# Altium PCB GameBoard_V1I1_Phase1.PcbDoc (part 5 of 18)
Units mm, origin at the board's own origin, x right, y up, seen from the top; angles counter-clockwise.
Board outline 182 x 70.2 mm, 12 copper layers (L1, L2, L3, L4, L5 (PWR), L6 (PWR), L7 (PWR), L8 (PWR), L9, L10, L11, L12), stack 2.079 mm thick; 1542 components, 1068 nets, 5447 pads, 3805 vias.
Unrouted connection lines stored in the file: 2.
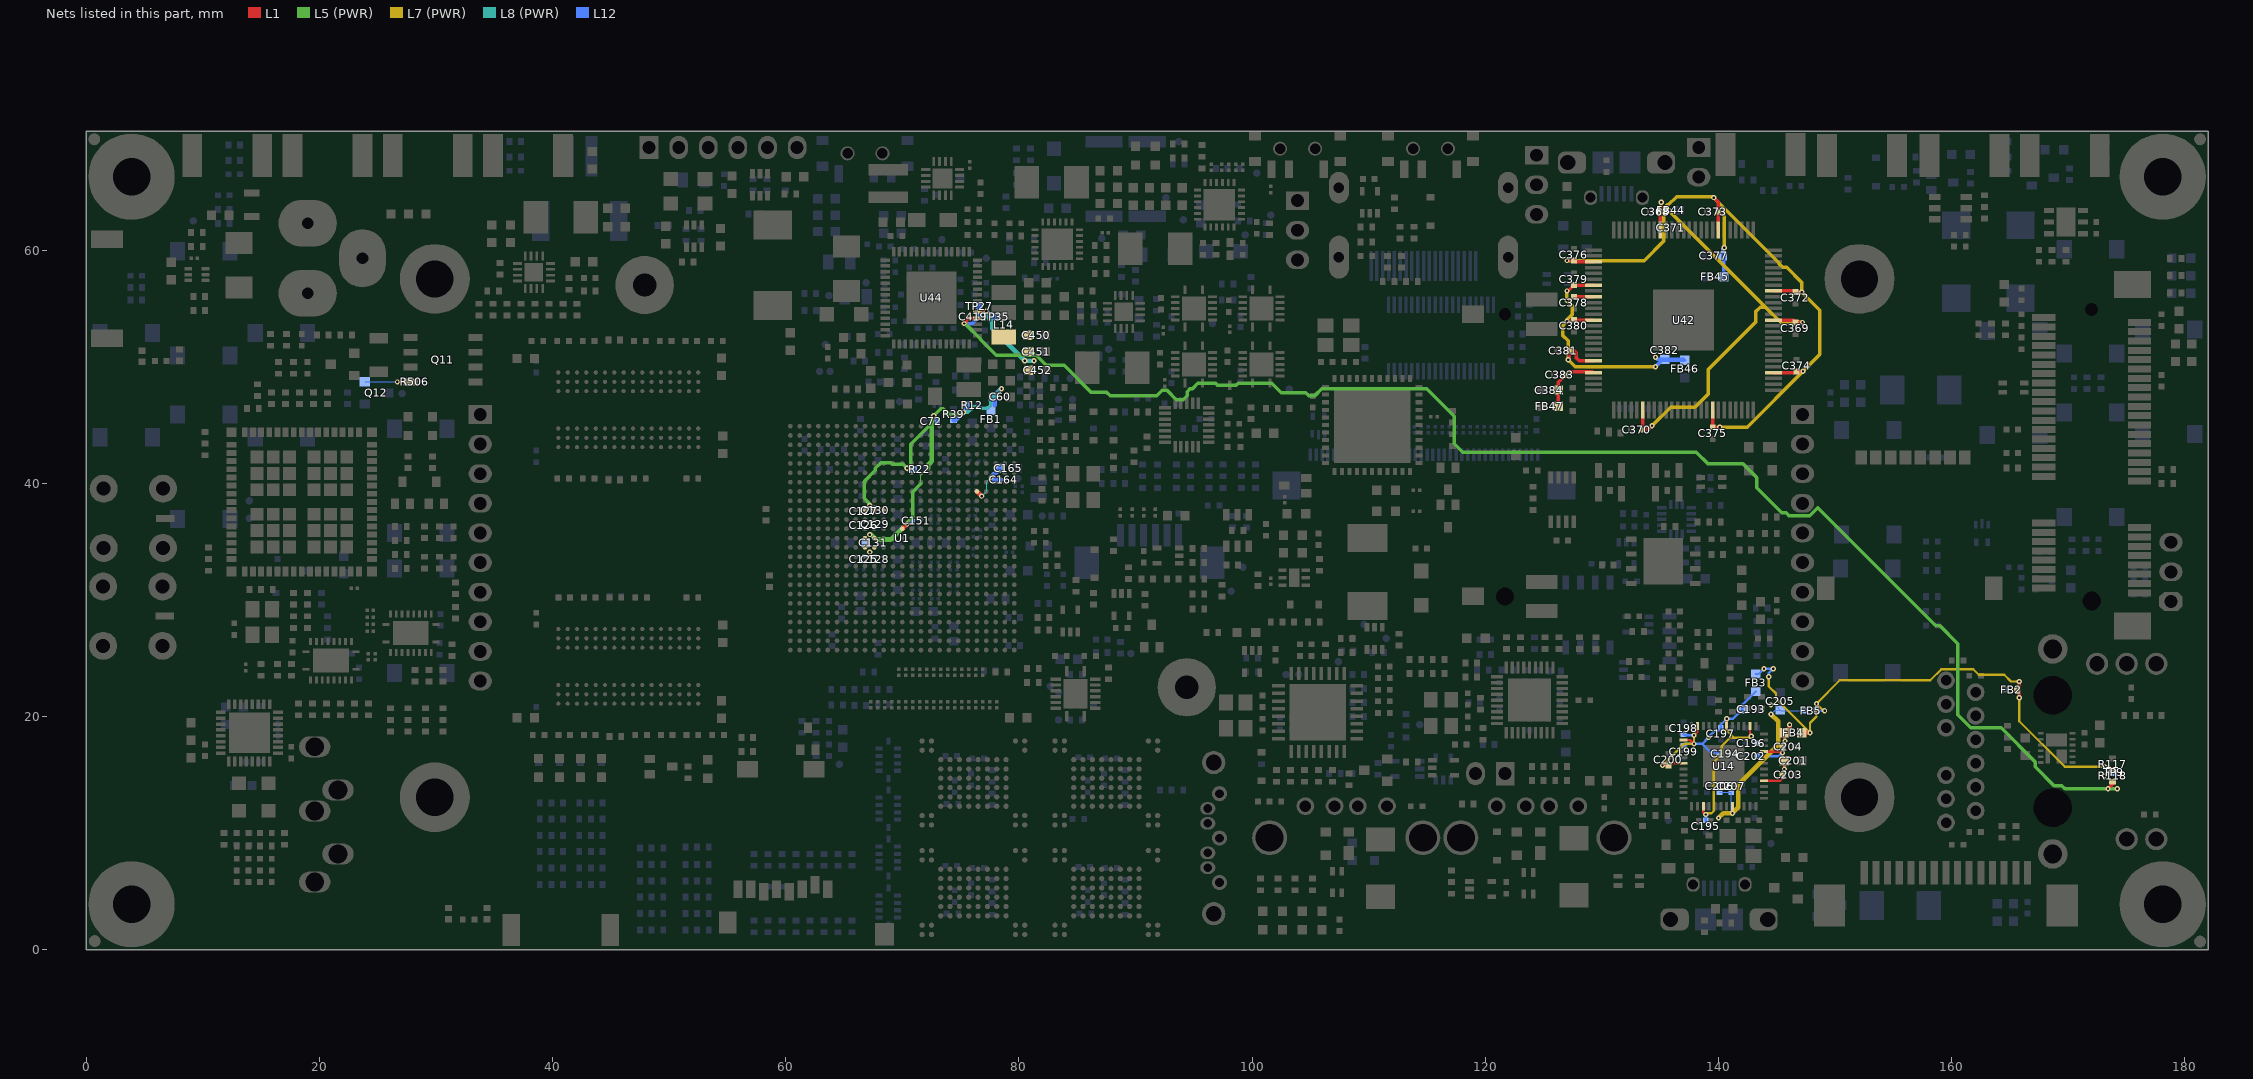
[diagram p15: the nets of this part, all layers, seen from the top]

## Part data (continued)
L8: library part XFL4020-222MEC, "Fixed Inductors Power Inductor 2.2 uH 20 % 8 A", Case/Package=SMD/SMT, DC Resistance (DCR)=23.5mR, Inductance=2.2uh, Inductance Tolerance=20%, Manufacturer=Coilcraft, Max DC Current=8A, Max Operating Temperature=125°C, Min Operating Temperature=-40°C, Saturation Current=3.1A, Self Resonant Frequency=38MHz, Supplier Part Number 1=994-XFL4020-222MEC, Test Frequency=100kHz, .Creator=MB, ComponentLink1Description=https://datasheet.ciiva.com/22679/1682010-22679277.pdf, ComponentLink1URL=https://datasheet.ciiva.com/22679/1682010-22679277.pdf, ComponentLink2Description=https://datasheet.ciiva.com/22679/1682010-22679278.pdf, ComponentLink2URL=https://datasheet.ciiva.com/22679/1682010-22679278.pdf, Core Material=Composite, Height=2.1mm, Lead Free="Contains Lead", Length=4.3mm, Manufacturer Part Number=XFL4020-222MEC, Mount="Surface Mount", Packaging="Tape and Reel", Pricing 1="1=1.99, 10=1.99, 50=1.99, 100=1.59, 1000=0.885, 10000=0.824 (USD)", REACH SVHC="No SVHC", RMS Current (Irms)=8A, Shielding=Shielded, Stock 1=16586, Supplier 1=Mouser, Termination=SMD/SMT, Tolerance=20%, Width=4.3mm
L10: library part IHLP2525CZER100M11, "FIXED IND 10UH 4A 71.2 MOHM SMD", DC Resistance (DCR)="71.2 mOhm Max", Manufacturer="Vishay Dale", Operating Temperature="-55°C ~ 125°C", Package / Case=Nonstandard, Q @ Freq=-, Supplier Part Number 1=541-2577-1-ND, Tolerance=±20%, .Creator=MB, Category="Inductors, Coils, Chokes", ComponentLink1Description=http://www.vishay.com/docs/34190/ihlp25cz.pdf, ComponentLink1URL=http://www.vishay.com/docs/34190/ihlp25cz.pdf, Height - Seated (Max)="0.118\" (3.00mm)", Manufacturer Part Number=IHLP2525CZER100M11, Material - Core="Powdered Iron", Mounting Type="Surface Mount", Packaging="Cut Tape (CT)", Part Status=Active, Pricing 1="1=1.72, 10=1.587, 100=1.1109, 500=0.8993, 1000=0.81995 (USD)", Ratings=-, RoHS="RoHS Compliant", Shielding=Shielded, Size / Dimension="0.270\" L x 0.255\" W (6.86mm x 6.47mm)", Stock 1=14061, Supplier 1=Digi-Key, Supplier Device Package=-, Type=Molded
L11 L12: library part IHLP1212AEER1R0M11, "FIXED IND 1UH 3.9A 33 MOHM SMD", Current - Saturation=5.3A, Current Rating=3.9A, DC Resistance (DCR)="33 mOhm Max", Frequency - Self Resonant=-, Frequency - Test=100kHz, Inductance=1µH, Manufacturer="Vishay Dale", Operating Temperature="-55°C ~ 125°C", Package / Case=Nonstandard, Supplier Part Number 1=541-1327-1-ND, Tolerance=±20%, .Checked PCB=used, .Checked SCH=used, .Creator=MM, Category="Inductors, Coils, Chokes", ComponentLink1Description=http://www.vishay.com/docs/34300/lp12ae11.pdf, ComponentLink1URL=http://www.vishay.com/docs/34300/lp12ae11.pdf, Height - Seated (Max)="0.047\" (1.20mm)", Manufacturer Part Number=IHLP1212AEER1R0M11, Material - Core=-, Mounting Type="Surface Mount", Packaging="Cut Tape (CT)", Pricing 1="1=1.44, 10=1.35, 100=1.026, 500=0.828, 1000=0.756 (USD)", Q @ Freq=-, RoHS="RoHS Compliant", Shielding=Shielded, Size / Dimension="0.144\" L x 0.118\" W (3.65mm x 3.00mm)", Stock 1=3480, Supplier 1=Digi-Key, Supplier Device Package=-, Type=Molded
L13 L14 L15: library part IFSC1008ABER1R0M01, "FIXED IND 1UH 2.6A 43 MOHM SMD", Current - Saturation=2.7A, Current Rating=2.6A, DC Resistance (DCR)="43 mOhm Max", Frequency - Self Resonant=-, Frequency - Test=100kHz, Inductance=1µH, Manufacturer="Vishay Dale", Operating Temperature="-55°C ~ 125°C", Package / Case=Nonstandard, Supplier Part Number 1=541-1388-1-ND, Tolerance=±20%, .Checked PCB=used, .Checked SCH=used, .Creator=MM, Category="Inductors, Coils, Chokes", ComponentLink1Description=http://www.vishay.com/docs/34294/s108ab01.pdf, ComponentLink1URL=http://www.vishay.com/docs/34294/s108ab01.pdf, Height - Seated (Max)="0.047\" (1.20mm)", Manufacturer Part Number=IFSC1008ABER1R0M01, Material - Core=-, Mounting Type="Surface Mount", Packaging="Cut Tape (CT)", Pricing 1="1=0.62, 10=0.501, 100=0.4175, 500=0.334, 1000=0.3006 (USD)", Q @ Freq=-, RoHS="RoHS Compliant", Shielding=Shielded, Size / Dimension="0.098\" L x 0.079\" W (2.50mm x 2.00mm)", Stock 1=46148, Supplier 1=Digi-Key, Supplier Device Package=-, Type=-
L16 L19: library part IHLP1616ABER2R2M11, "FIXED IND 2.2UH 2.75A 83.5 MOHM", Current - Saturation=3A, Current Rating=2.75A, DC Resistance (DCR)="83.5 mOhm Max", Frequency - Self Resonant=49MHz, Frequency - Test=100kHz, Inductance=2.2µH, Manufacturer="Vishay Dale", Operating Temperature="-55°C ~ 125°C", Package / Case=Nonstandard, Q @ Freq=-, Supplier Part Number 1=541-1045-1-ND, Tolerance=±20%, .Checked PCB=used, .Checked SCH=used, .Creator=MM, Category="Inductors, Coils, Chokes", ComponentLink1Description=http://media.digikey.com/pdf/Data%20Sheets/Vishay%20Dale%20PDFs/IHLP-1616-11.pdf, ComponentLink1URL=http://media.digikey.com/pdf/Data%20Sheets/Vishay%20Dale%20PDFs/IHLP-1616-11.pdf, Height - Seated (Max)="0.047\" (1.20mm)", Manufacturer Part Number=IHLP1616ABER2R2M11, Material - Core=-, Mounting Type="Surface Mount", Packaging="Cut Tape (CT)", Pricing 1="1=2.63, 10=2.45, 100=1.82, 500=1.54, 1000=1.435 (USD)", RoHS="RoHS Compliant", Shielding=Shielded, Size / Dimension="0.175\" L x 0.160\" W (4.45mm x 4.06mm)", Stock 1=11070, Supplier 1=Digi-Key, Supplier Device Package=-, Type=Molded
L20 L23: library part LQP15MN1N8B02D, "FIXED IND 1.8nH 0.1nH 500MHz 13Q-Factor 280mA 200mOhm DCR 0402 T/R", Case/Package=0402, Case Code (Metric)=1005, Current Rating=280mA, DC Resistance (DCR)=200mR, Inductance=1.8nh, Manufacturer=Murata, Max Operating Temperature=85°C, Min Operating Temperature=-40°C, Package Quantity=10000, Self Resonant Frequency=6GHz, Supplier Part Number 1=490-1127-1-ND, Test Frequency=500MHz, .Creator=MB, Case Code (Imperial)=0402, ComponentLink1Description=https://datasheet.ciiva.com/8510/l0075s0084lqp15m-8510296.pdf, ComponentLink1URL=https://datasheet.ciiva.com/8510/l0075s0084lqp15m-8510296.pdf, ComponentLink2Description=https://datasheet.ciiva.com/6690/l0075s0084lqp15m-6690778.pdf, ComponentLink2URL=https://datasheet.ciiva.com/6690/l0075s0084lqp15m-6690778.pdf, ComponentLink3Description=https://datasheet.ciiva.com/6690/l0075s0084lqp15m-6690779.pdf, ComponentLink3URL=https://datasheet.ciiva.com/6690/l0075s0084lqp15m-6690779.pdf, ComponentLink4Description=https://datasheet.ciiva.com/8510/l0075s0084lqp15m-8510299.pdf, ComponentLink4URL=https://datasheet.ciiva.com/8510/l0075s0084lqp15m-8510299.pdf, ComponentLink5Description=https://datasheet.ciiva.com/34302/1865111-34302907.pdf, ComponentLink5URL=https://datasheet.ciiva.com/34302/1865111-34302907.pdf, ComponentLink6Description=https://datasheet.ciiva.com/6690/l0075s0084lqp15m-6690780.pdf, ComponentLink6URL=https://datasheet.ciiva.com/6690/l0075s0084lqp15m-6690780.pdf, ComponentLink7Description=https://datasheet.ciiva.com/4978/product-4978349.pdf, ComponentLink7URL=https://datasheet.ciiva.com/4978/product-4978349.pdf, ComponentLink8Description=https://datasheet.ciiva.com/16207/l0075s0084lqp15m-16207886.pdf, ComponentLink8URL=https://datasheet.ciiva.com/16207/l0075s0084lqp15m-16207886.pdf, ComponentLink9Description=https://datasheet.ciiva.com/30490/0900766b81256025-30490302.pdf, ComponentLink9URL=https://datasheet.ciiva.com/30490/0900766b81256025-30490302.pdf, Composition="Thin Film", Core Material=Ferrite,Non-Magnetic, DC Current=280mA, Depth=0.6mm, Height=0.35mm, Height - Seated (Max)=0.018inch, Lead Free="Lead Free", Length=1mm, Manufacturer Part Number=LQP15MN1N8B02D, Max DC Current=280mA, Military Standard=Not, Mount="Surface Mount", Packaging="Tape and Reel", Pricing 1="1=0.19, 10=0.173, 100=0.1152, 500=0.09602, 1000=0.08066, 2500=0.06914 (USD)", Q Factor=13, Radiation Hardening=No, Shielding=Unshielded, Stock 1=384280, Supplier 1=Digi-Key, Termination=SMD/SMT, Width=0.02inch
L21: library part LQP15MN1N3B02D, "FIXED IND 1.3nH 0402", Case/Package=0402, Case Code (Metric)=1005, Current=160mA, Current Rating=280mA, DC Resistance (DCR)=200mR, Inductance=1.3nh, Manufacturer=Murata, Max Operating Temperature=85°C, Min Operating Temperature=-55°C, Package Quantity=10000, Self Resonant Frequency=6GHz, Supplier Part Number 1=490-6748-1-ND, Test Frequency=500MHz, .Creator=MB, Case Code (Imperial)=0402, ComponentLink1Description=https://datasheet.ciiva.com/30490/0900766b81256025-30490358.pdf, ComponentLink1URL=https://datasheet.ciiva.com/30490/0900766b81256025-30490358.pdf, ComponentLink2Description=https://datasheet.ciiva.com/8507/l0075s0084lqp15m-8507161.pdf, ComponentLink2URL=https://datasheet.ciiva.com/8507/l0075s0084lqp15m-8507161.pdf, ComponentLink3Description=https://datasheet.ciiva.com/17277/l0075s0084lqp15m-17277929.pdf, ComponentLink3URL=https://datasheet.ciiva.com/17277/l0075s0084lqp15m-17277929.pdf, ComponentLink4Description=https://datasheet.ciiva.com/4978/product-4978619.pdf, ComponentLink4URL=https://datasheet.ciiva.com/4978/product-4978619.pdf, ComponentLink5Description=https://datasheet.ciiva.com/6705/l0075s0084lqp15m-6705196.pdf, ComponentLink5URL=https://datasheet.ciiva.com/6705/l0075s0084lqp15m-6705196.pdf, ComponentLink6Description=https://datasheet.ciiva.com/6705/l0075s0084lqp15m-6705198.pdf, ComponentLink6URL=https://datasheet.ciiva.com/6705/l0075s0084lqp15m-6705198.pdf, ComponentLink7Description=https://datasheet.ciiva.com/6705/l0075s0084lqp15m-6705199.pdf, ComponentLink7URL=https://datasheet.ciiva.com/6705/l0075s0084lqp15m-6705199.pdf, Composition="Thin Film", Core Material=Ferrite,Non-Magnetic, DC Current=280mA, Depth=0.6mm, Height=0.35mm, Height - Seated (Max)=0.018inch, Lead Free="Lead Free", Length=1mm, Manufacturer Part Number=LQP15MN1N3B02D, Max DC Current=280mA, Military Standard=Not, Mount="Surface Mount", Packaging="Tape and Reel", Pricing 1="1=0.19, 10=0.173, 100=0.1152, 500=0.09602, 1000=0.08066, 2500=0.06914 (USD)", Q Factor=13, Radiation Hardening=No, Shielding=Unshielded, Stock 1=48866, Supplier 1=Digi-Key, Termination=SMD/SMT, Width=0.5mm
L22: library part LQP15MN2N2B02D, "FIXED IND 2.2NH 220MA 300 MOHM", Case/Package=0402, Case Code (Metric)=1005, Current Rating=220mA, DC Resistance (DCR)=300mR, Inductance=2.2nh, Manufacturer=Murata, Max Operating Temperature=85°C, Min Operating Temperature=-40°C, Package Quantity=10000, Self Resonant Frequency=6GHz, Supplier Part Number 1=490-1128-1-ND, Test Frequency=500MHz, .Creator=MB, Case Code (Imperial)=0402, ComponentLink1Description=https://datasheet.ciiva.com/11801/0900766b80f155d9-11801394.pdf, ComponentLink1URL=https://datasheet.ciiva.com/11801/0900766b80f155d9-11801394.pdf, ComponentLink2Description=https://datasheet.ciiva.com/1039/l0075s0084lqp15m-1039846.pdf, ComponentLink2URL=https://datasheet.ciiva.com/1039/l0075s0084lqp15m-1039846.pdf, ComponentLink3Description=https://datasheet.ciiva.com/1039/l0075s0084lqp15m-1039847.pdf, ComponentLink3URL=https://datasheet.ciiva.com/1039/l0075s0084lqp15m-1039847.pdf, ComponentLink4Description=https://datasheet.ciiva.com/1039/l0075s0084lqp15m-1039848.pdf, ComponentLink4URL=https://datasheet.ciiva.com/1039/l0075s0084lqp15m-1039848.pdf, ComponentLink5Description=https://datasheet.ciiva.com/17277/l0075s0084lqp15m-17277946.pdf, ComponentLink5URL=https://datasheet.ciiva.com/17277/l0075s0084lqp15m-17277946.pdf, Composition="Thin Film", Core Material=Non-Magnetic, DC Current=220mA, Depth=0.6mm, Height=0.35mm, Height - Seated (Max)=0.018inch, Lead Free="Lead Free", Length=1.1mm, Manufacturer Part Number=LQP15MN2N2B02D, Max DC Current=220mA, Military Standard=Not, Mount="Surface Mount", Packaging="Tape and Reel", Pricing 1="1=0.19, 10=0.173, 100=0.1152, 500=0.09602, 1000=0.08066, 2500=0.06914 (USD)", Q Factor=13, Radiation Hardening=No, Shielding=Unshielded, Stock 1=9227, Supplier 1=Digi-Key, Termination=SMD/SMT, Width=0.02inch
LCD1: "CONN FFC BOTTOM 40POS 0.50MM R/A", Contact Resistance=20mR, Current Rating=500mA, Flammability Rating="UL94 V-0", Housing Colour=Black, Manufacturer=Molex, Max Operating Temperature=85°C, Min Operating Temperature=-20°C, Package Quantity=1, Supplier Part Number 1=WM3436DKR-ND, Voltage Rating=50V, .Creator=MB, Actuator Material=Glass,Polyphenylene, ComponentLink1Description=https://datasheet.ciiva.com/671/541323062-sd-671324.pdf, ComponentLink1URL=https://datasheet.ciiva.com/671/541323062-sd-671324.pdf, ComponentLink2Description=https://datasheet.ciiva.com/671/541324062-sd-671416.pdf, ComponentLink2URL=https://datasheet.ciiva.com/671/541324062-sd-671416.pdf, ComponentLink3Description=https://datasheet.ciiva.com/671/541324062-sd-671417.pdf, ComponentLink3URL=https://datasheet.ciiva.com/671/541324062-sd-671417.pdf, Contact Material=Bronze, Contact Plating=Nickel,Gold, Depth=5.6mm, Housing Material=Nylon, Length=25.5mm, Manufacturer Part Number=0541324062, Mount="Surface Mount", Number of Contacts=40, Number of Positions=40, Number of Rows=1, Orientation="Right Angle", Packaging="Tape and Reel", Pitch=0.5mm, Pricing 1="1=2.05, 10=1.861, 25=1.7472, 50=1.6712, 100=1.5953, 250=1.44336, 500=1.3294 (USD)", Stock 1=22791, Supplier 1=Digi-Key, Termination=Solder, Wire/Cable Type=Straight
LCD2: "LCD TFT 4.3\" Mountable", Manufacturer="Newhaven Display", Supplier Part Number 1=NHD-4.3-480272MB-ASXN-CTP-ND, .Creator=MB, ComponentLink1Description="Mechanical Drawing", ComponentLink1URL=http://www.newhavendisplay.com/specs/Drawing-NHD-4.3-480272MB-xxxx-CTP.pdf, ComponentLink2Description="Data Sheet", ComponentLink2URL=http://www.newhavendisplay.com/specs/NHD-4.3-480272EF-ATXL-CTP.pdf, Manufacturer Part Number=NHD-4.3-480272MB-ASXN-CTP, Pricing 1="1=63.75, 5=59.926, 10=56.1, 50=54.9 (USD)", Stock 1=0, Supplier 1=Digi-Key
MH1 MH2 MH3 MH4: "Mounting Hole 7.4mm Diameter, 3.2mm Drill", .Checked PCB=used, .Checked SCH=used, .Creator=MM
MH5 MH6: "Mounting Hole 5mm Diameter, 2mm Drill", .Checked PCB=used, .Checked SCH=used, .Creator=MM
Q2 Q3 Q6 Q8 Q13 Q14 Q15 Q16 Q17 Q18 Q19: "MOSFET N-CH 60V 310MA SOT323", Current - Continuous Drain (Id) @ 25° C=310mA, Drain to Source Voltage (Vdss)=60V, Input Capacitance (Ciss) @ Vds="50pF @ 10V", Manufacturer="NXP Semiconductors", Package / Case="SC-70, SOT-323", Power - Max=275mW, Supplier Device Package=SC-70, Supplier Part Number 1=568-5980-1-ND, .Checked PCB=used, .Checked SCH=used, Category="Discrete Semiconductor Products", ComponentLink1Description=http://www.nxp.com/documents/data_sheet/2N7002BKW.pdf, ComponentLink1URL=http://www.nxp.com/documents/data_sheet/2N7002BKW.pdf, FET Feature="Logic Level Gate", FET Type="MOSFET N-Channel, Metal Oxide", Gate Charge (Qg) @ Vgs="0.6nC @ 4.5V", Manufacturer Part Number=2N7002BKW,115, Mounting Type="Surface Mount", Packaging="Cut Tape (CT)", Pricing 1="1=0.39, 10=0.354, 25=0.2548, 100=0.1983, 250=0.12456, 500=0.10616, 1000=0.07233 (USD)", Rds On (Max) @ Id, Vgs="1.6 Ohm @ 500mA, 10V", RoHS="RoHS Compliant", Stock 1=15666, Supplier 1=Digi-Key, Vgs(th) (Max) @ Id="2.1V @ 250µA"
Q4 Q5: "MOSFET 2N-CH 60V 0.3A 6TSSOP", Current - Continuous Drain (Id) @ 25°C=300mA, Drain to Source Voltage (Vdss)=60V, Input Capacitance (Ciss) @ Vds="50pF @ 10V", Manufacturer="NXP Semiconductors", Package / Case="6-TSSOP, SC-88, SOT-363", Power - Max=295mW, Supplier Device Package=6-TSSOP, Supplier Part Number 1=568-5977-1-ND, .Checked PCB=used, .Checked SCH=used, .Creator=MM, Category="Discrete Semiconductor Products", ComponentLink1Description=http://www.nxp.com/documents/data_sheet/2N7002BKS.pdf, ComponentLink1URL=http://www.nxp.com/documents/data_sheet/2N7002BKS.pdf, FET Feature="Logic Level Gate", FET Type="2 N-Channel (Dual)", Gate Charge (Qg) @ Vgs="0.6nC @ 4.5V", Manufacturer Part Number=2N7002BKS,115, Mounting Type="Surface Mount", Packaging="Cut Tape (CT)", Pricing 1="1=0.54, 10=0.389, 25=0.3028, 100=0.2293, 250=0.16212, 500=0.12978, 1000=0.09954 (USD)", Rds On (Max) @ Id, Vgs="1.6 Ohm @ 500mA, 10V", Referenced footrpint used by MM=http://www.diodes.com/_files/datasheets/ap02001.pdf, RoHS="RoHS Compliant", Stock 1=34098, Supplier 1=Digi-Key, Vgs(th) (Max) @ Id="2.1V @ 250µA"
Q7 Q12: "TRANS PNP 40V 0.2A SOT23", Current - Collector (Ic) (Max)=200mA, Current - Collector Cutoff (Max)=-, DC Current Gain (hFE) (Min) @ Ic, Vce="100 @ 10mA, 1V", Frequency - Transition=250MHz, Manufacturer="NXP Semiconductors", Package / Case="TO-236-3, SC-59, SOT-23-3", Power - Max=250mW, Supplier Device Package="SOT-23 (TO-236AB)", Supplier Part Number 1=568-4511-1-ND, Voltage - Collector Emitter Breakdown (Max)=40V, .Checked PCB=used, .Checked SCH=used, .Creator=MM, Category="Discrete Semiconductor Products", ComponentLink1Description=http://www.nxp.com/documents/data_sheet/MMBT3906.pdf, ComponentLink1URL=http://www.nxp.com/documents/data_sheet/MMBT3906.pdf, Manufacturer Part Number=MMBT3906,215, Mounting Type="Surface Mount", Packaging="Cut Tape (CT)", Pricing 1="1=0.14, 10=0.125, 25=0.1132, 100=0.0816, 250=0.04804, 500=0.03986, 1000=0.02719 (USD)", RoHS="RoHS Compliant", Stock 1=39823, Supplier 1=Digi-Key, Transistor Type=PNP, Vce Saturation (Max) @ Ib, Ic="400mV @ 5mA, 50mA"
Q9 Q10: "MOSFET P-CH 20V 3.6A SOT-23", Current - Continuous Drain (Id) @ 25°C="3.6A (Ta)", Drain to Source Voltage (Vdss)=20V, Input Capacitance (Ciss) @ Vds="1610pF @ 10V", Manufacturer="Diodes Incorporated", Package / Case="TO-236-3, SC-59, SOT-23-3", Power - Max=810mW, Supplier Device Package=SOT-23-3, Supplier Part Number 1=DMP2035U-7DICT-ND, .Checked PCB=used, .Checked SCH=used, .Creator=MM, Category="Discrete Semiconductor Products", ComponentLink1Description=http://www.diodes.com/datasheets/ds31830.pdf, ComponentLink1URL=http://www.diodes.com/datasheets/ds31830.pdf, FET Feature="Logic Level Gate", FET Type="MOSFET P-Channel, Metal Oxide", Gate Charge (Qg) @ Vgs="15.4nC @ 4.5V", Manufacturer Part Number=DMP2035U-7, Mounting Type="Surface Mount", Packaging="Cut Tape (CT)", Pricing 1="1=0.49, 10=0.345, 25=0.2836, 100=0.2265, 250=0.165, 500=0.134, 1000=0.103 (USD)", Rds On (Max) @ Id, Vgs="35 mOhm @ 4A, 4.5V", RoHS="RoHS Compliant", Stock 1=71721, Supplier 1=Digi-Key, Vgs(th) (Max) @ Id="1V @ 250µA"
Q11: "MOSFET P-CH 30V 8.8A 8-SOIC", Current - Continuous Drain (Id) @ 25°C="8.8A (Ta)", Drain to Source Voltage (Vdss)=30V, Input Capacitance (Ciss) @ Vds=-, Manufacturer="Vishay Siliconix", Package / Case="8-SOIC (0.154\", 3.90mm Width)", Power - Max=1.5W, Supplier Device Package=8-SO, Supplier Part Number 1=SI4425BDY-T1-E3CT-ND, .Checked PCB=used, .Checked SCH=used, .Creator=MM, Category="Discrete Semiconductor Products", ComponentLink1Description=http://www.vishay.com/docs/72000/72000.pdf, ComponentLink1URL=http://www.vishay.com/docs/72000/72000.pdf, FET Feature="Logic Level Gate", FET Type="MOSFET P-Channel, Metal Oxide", Gate Charge (Qg) @ Vgs="100nC @ 10V", Manufacturer Part Number=SI4425BDY-T1-E3, Mounting Type="Surface Mount", Packaging="Cut Tape (CT)", Pricing 1="1=1, 10=0.88, 25=0.7948, 100=0.6955, 250=0.60996, 500=0.54096, 1000=0.4278 (USD)", Rds On (Max) @ Id, Vgs="12 mOhm @ 11.4A, 10V", RoHS="RoHS Compliant", Stock 1=26582, Supplier 1=Digi-Key, Vgs(th) (Max) @ Id="3V @ 250µA"
R1 R2 R5 R6 R7 R8 R11 R209 R247 R270 R410 R413 R516 R522: library part RMCF0402FT240R, "RES TF 240 OHM 1% 0.0625W 0402", Manufacturer="Stackpole Electronics Inc", Package / Case="0402 (1005 Metric)", Power (Watts)="0.063W, 1/16W", Resistance (Ohms)=240, Supplier Part Number=RMCF0402FT240RCT-ND, Temperature Coefficient=±100ppm/°C, Tolerance=±1%, .Checked PCB=used, .Checked SCH=used, Category=Resistors, ComponentLink1Description=http://www.seielect.com/Catalog/SEI-RMCF.pdf, ComponentLink1URL=http://www.seielect.com/Catalog/SEI-RMCF.pdf, Composition="Thick Film", Features=-, Height="0.016\" (0.40mm)", Manufacturer Part Number=RMCF0402FT240R, Number of Terminations=2, Packaging="Cut Tape (CT)", Price 1k [$]=0.00384, Pricing 1="1=0.04, 10=0.025, 50=0.0138, 100=0.0105, 250=0.0078, 500=0.00576, 1000=0.00384 (USD)", RoHS="RoHS Compliant", Size / Dimension="0.039\" L x 0.020\" W (1.00mm x 0.50mm)", Stock 1=39860, Supplier=Digikey, Supplier 1=Digi-Key, Supplier Part Number 1=RMCF0402FT240RCT-ND
R3 R4 R14 R19 R45 R46 R47 R49 R50 R51 R52 R53 R54 R65 R66 R70 R71 R72 R74 R75 R76 R85 R86 R87 R88 R89 R91 R92 R95 R97 R101 R104 R105 R106 R131 R132 R133 R134 R135 R136 R137 R151 R173 R176 R186 R188 R197 R198 R207 R210 R211 R212 R213 R214 R215 R248 R253 R254 R261 R263 R264 R265 R266 R269 R295 R306 R313 R323 R326 R376 R377 R378 R379 R392 R393 R394 R395 R396 R399 R404 R405 R406 R407 R414 R415 R416 R417 R418 R422 R423 R425 R437 R438 R451 R452 R458 R459 R478 R483 R524: library part RC0402FR-0710KL, "RES 10.0K OHM 1/16W 1% 0402 SMD", Manufacturer=Yageo, Package / Case="0402 (1005 Metric)", Power (Watts)="0.063W, 1/16W", Resistance (Ohms)=10K, Supplier Part Number=311-10.0KLRCT-ND, Temperature Coefficient=±100ppm/°C, Tolerance=±1%, .Checked PCB=used, .Checked SCH=used, Category=Resistors, ComponentLink1Description=http://www.yageo.com/documents/recent/PYu-RC0402_51_RoHS_L_6.pdf, ComponentLink1URL=http://www.yageo.com/documents/recent/PYu-RC0402_51_RoHS_L_6.pdf, Composition="Thick Film", Features=-, Height="0.016\" (0.40mm)", Manufacturer Part Number=RC0402FR-0710KL, Number of Terminations=2, Packaging="Cut Tape (CT)", Price 1k [$]=0.01421, Pricing 1="10=0.014, 50=0.0104, 100=0.0079, 250=0.00584, 500=0.00432, 1000=0.00288 (USD)", RoHS="RoHS Compliant", Size / Dimension="0.039\" L x 0.020\" W (1.00mm x 0.50mm)", Stock 1=2916495, Supplier=Digikey, Supplier 1=Digi-Key, Supplier Part Number 1=311-10.0KLRCT-ND
R9 R10 R15: library part CRCW0402200RFKED, "RES 200 OHM 1/16W 1% 0402 SMD", Manufacturer="Vishay Dale", Package / Case="0402 (1005 Metric)", Power (Watts)="0.063W, 1/16W", Resistance (Ohms)=200, Supplier Part Number 1=541-200LCT-ND, Temperature Coefficient=±100ppm/°C, Tolerance=±1%, .Creator=MM, Category=Resistors, ComponentLink1Description=http://www.vishay.com/doc?20035, ComponentLink1URL=http://www.vishay.com/doc?20035, Composition="Thick Film", Features="Automotive AEC-Q200 Qualified", Height="0.016\" (0.40mm)", Manufacturer Part Number=CRCW0402200RFKED, Number of Terminations=2, Packaging="Cut Tape (CT)", Pricing 1="10=0.083, 50=0.0444, 200=0.0255, 1000=0.0174 (USD)", RoHS="RoHS Compliant", Size / Dimension="0.039\" L x 0.020\" W (1.00mm x 0.50mm)", Stock 1=251574, Supplier 1=Digi-Key, Supplier Device Package="0402 (1005 Metric)"
  R9 R10: .Checked PCB="RF, used by MM", .Checked SCH="MM, checked by RF"
  R15: .Checked PCB=used, .Checked SCH=used
R12 R13 R18 R22 R24 R25 R27 R29 R32 R38 R39 R40 R83 R93 R94 R96 R98 R99 R100 R102 R107 R108 R110 R112 R113 R114 R115 R116 R117 R118 R119 R122 R141 R142 R143 R144 R150 R152 R153 R157 R158 R159 R160 R162 R164 R165 R166 R167 R168 R169 R170 R171 R172 R174 R175 R177 R178 R181 R182 R184 R189 R199 R200 R201 R208 R216 R217 R218 R219 R221 R222 R223 R224 R225 R229 R230 R234 R235 R239 R240 R242 R243 R244 R245 R249 R250 R251 R252 R255 R256 R257 R258 R259 R260 R262 R267 R268 R271 R273 R280 R281 R282 R285 R286 R287 R288 R289 R294 R299 R301 R302 R303 R305 R312 R314 R315 R322 R325 R329 R330 R342 R345 R348 R350 R351 R429 R430 R431 R439 R441 R442 R443 R444 R445 R446 R447 R448 R449 R450 R453 R454 R455 R456 R457 R460 R461 R462 R463 R464 R465 R466 R467 R468 R469 R479 R480 R481 R482 R487 R491 R493 R496 R497 R498 R500 R501 R502 R503 R504 R505 R525 R532 R534 R544 R547 R559 R560 R561 R562 R563 R564 R565 R566 R567 R568 R569 R570 R571 R572 R573 R576 R577 R578 R579 R580 R581 R588 R589 R591 R592 R593 R594 R595 R596 R597 R598 R599 R600 R601 R602 R603 R604 R605 R606 R607 R608 R609 R610 R611 R612 R613 R614 R615 R616 R617 R618 R619 R620 R621 R622 R623 R624 R626 R629 R630 R631 R632 R633 R634 R635 R636 R637 R638 R639 R640 R641 R674: library part RC0402JR-070RL, "RES 0.0 OHM 1/16W 0402 SMD", Manufacturer=Yageo, Package / Case="0402 (1005 Metric)", Power (Watts)="0.063W, 1/16W", Resistance (Ohms)=0.0, Supplier Part Number=311-0.0JRCT-ND, Temperature Coefficient=-, Tolerance=Jumper, .Checked PCB=used, .Checked SCH=used, Category=Resistors, ComponentLink1Description=http://www.yageo.com/documents/recent/PYu-RC0402_51_RoHS_L_6.pdf, ComponentLink1URL=http://www.yageo.com/documents/recent/PYu-RC0402_51_RoHS_L_6.pdf, Composition="Thick Film", Features=-, Height="0.016\" (0.40mm)", Manufacturer Part Number=RC0402JR-070RL, Number of Terminations=2, Packaging="Cut Tape (CT)", Price 1k [$]=0.01389, Pricing 1="10=0.012, 50=0.009, 100=0.0069, 250=0.00512, 500=0.0038, 1000=0.00253 (USD)", RoHS="RoHS Compliant", Size / Dimension="0.039\" L x 0.020\" W (1.00mm x 0.50mm)", Stock 1=1106330, Supplier=Digikey, Supplier 1=Digi-Key, Supplier Part Number 1=311-0.0JRCT-ND
R16 R17: library part RC0402FR-0749R9L, "RES 49.9 OHM 1/16W 1% 0402 SMD", Manufacturer=Yageo, Package / Case="0402 (1005 Metric)", Power (Watts)="0.063W, 1/16W", Resistance (Ohms)=49.9, Supplier Part Number=311-49.9LRCT-ND, Temperature Coefficient=±100ppm/°C, Tolerance=±1%, .Checked PCB=used, .Checked SCH=used, Category=Resistors, ComponentLink1Description=http://www.yageo.com/documents/recent/PYu-RC0402_51_RoHS_L_6.pdf, ComponentLink1URL=http://www.yageo.com/documents/recent/PYu-RC0402_51_RoHS_L_6.pdf, Composition="Thick Film", Features=-, Height="0.016\" (0.40mm)", Manufacturer Part Number=RC0402FR-0749R9L, Number of Terminations=2, Packaging="Cut Tape (CT)", Price 1k [$]=0.01421, Pricing 1="10=0.014, 50=0.0104, 100=0.0079, 250=0.00584, 500=0.00432, 1000=0.00288 (USD)", RoHS="RoHS Compliant", Size / Dimension="0.039\" L x 0.020\" W (1.00mm x 0.50mm)", Stock 1=235950, Supplier=Digikey, Supplier 1=Digi-Key, Supplier Part Number 1=311-49.9LRCT-ND
R20 R21 R149 R310 R327 R435 R436 R440: library part RC0402FR-0747KL, "RES 47.0K OHM 1/16W 1% 0402 SMD", Manufacturer=Yageo, Package / Case="0402 (1005 Metric)", Power (Watts)="0.063W, 1/16W", Resistance (Ohms)=47K, Supplier Part Number=311-47.0KLRCT-ND, Temperature Coefficient=±100ppm/°C, Tolerance=±1%, .Checked PCB=used, .Checked SCH=used, Category=Resistors, ComponentLink1Description=http://www.yageo.com/documents/recent/PYu-RC0402_51_RoHS_L_6.pdf, ComponentLink1URL=http://www.yageo.com/documents/recent/PYu-RC0402_51_RoHS_L_6.pdf, Composition="Thick Film", Features=-, Height="0.016\" (0.40mm)", Manufacturer Part Number=RC0402FR-0747KL, Number of Terminations=2, Packaging="Cut Tape (CT)", Price 1k [$]=0.01421, Pricing 1="10=0.014, 50=0.0104, 100=0.0079, 250=0.00584, 500=0.00432, 1000=0.00288 (USD)", RoHS="RoHS Compliant", Size / Dimension="0.039\" L x 0.020\" W (1.00mm x 0.50mm)", Stock 1=1227580, Supplier=Digikey, Supplier 1=Digi-Key, Supplier Part Number 1=311-47.0KLRCT-ND
R23: library part ERJ-2RKF1601X, "RES 1.6K OHM 1/10W 1% 0402 SMD", Manufacturer="Panasonic Electronic Components", Package / Case="0402 (1005 Metric)", Power (Watts)="0.1W, 1/10W", Resistance (Ohms)=1.6k, Supplier Device Package=0402, Supplier Part Number 1=P1.60KLCT-ND, Temperature Coefficient=±100ppm/°C, Tolerance=±1%, .Checked PCB=used, .Checked SCH=used, .Creator=MM, Category=Resistors, ComponentLink1Description=http://industrial.panasonic.com/www-cgi/jvcr13pz.cgi?E+PZ+3+AOA0002+ERJ2RKF1601X+7+WW, ComponentLink1URL=http://industrial.panasonic.com/www-cgi/jvcr13pz.cgi?E+PZ+3+AOA0002+ERJ2RKF1601X+7+WW, Composition="Thick Film", Features=-, Height="0.016\" (0.40mm)", Manufacturer Part Number=ERJ-2RKF1601X, Number of Terminations=2, Packaging="Cut Tape (CT)", Pricing 1="1=0.1, 50=0.0242, 100=0.0184, 250=0.01364, 500=0.01008, 1000=0.00672, 5000=0.00473 (USD)", RoHS="RoHS Compliant", Size / Dimension="0.039\" L x 0.020\" W (1.00mm x 0.50mm)", Stock 1=89488, Supplier 1=Digi-Key
R26 R48 R59 R60 R61 R62 R63 R64 R81 R82 R90 R128 R130 R146 R147 R277 R278 R279 R283: library part RMCF0402FT4K99, "RES TF 4.99K OHM 1% 1/16W 0402", Manufacturer="Stackpole Electronics Inc", Package / Case="0402 (1005 Metric)", Power (Watts)="0.063W, 1/16W", Resistance (Ohms)=4.99K, Supplier Part Number=RMCF0402FT4K99CT-ND, Temperature Coefficient=±100ppm/°C, Tolerance=±1%, .Checked PCB=used, .Checked SCH=used, Category=Resistors, ComponentLink1Description=http://www.seielect.com/Catalog/SEI-RMCF.pdf, ComponentLink1URL=http://www.seielect.com/Catalog/SEI-RMCF.pdf, Composition="Thick Film", Features=-, Height="0.016\" (0.40mm)", Manufacturer Part Number=RMCF0402FT4K99, Number of Terminations=2, Packaging="Cut Tape (CT)", Price 1k [$]=0.00384, Pricing 1="1=0.04, 10=0.025, 50=0.0138, 100=0.0105, 250=0.0078, 500=0.00576, 1000=0.00384 (USD)", RoHS="RoHS Compliant", Size / Dimension="0.039\" L x 0.020\" W (1.00mm x 0.50mm)", Stock 1=48509, Supplier=Digikey, Supplier 1=Digi-Key, Supplier Part Number 1=RMCF0402FT4K99CT-ND
R28: library part CRCW02011K60FKED, "RES 1.60K OHM 1/20W 1% 0201 SMD", Manufacturer="Vishay Dale", Package / Case="0201 (0603 Metric)", Power (Watts)="0.05W, 1/20W", Resistance (Ohms)=1.6k, Supplier Part Number 1=541-1.60KAABCT-ND, Temperature Coefficient=±100ppm/°C, Tolerance=±1%, .Checked PCB=used, .Checked SCH=used, .Creator=MM, Category=Resistors, ComponentLink1Description=http://www.vishay.com/docs/20052/crcw0201e3.pdf, ComponentLink1URL=http://www.vishay.com/docs/20052/crcw0201e3.pdf, Composition="Thick Film", Features=-, Height="0.011\" (0.28mm)", Manufacturer Part Number=CRCW02011K60FKED, Number of Terminations=2, Packaging="Cut Tape (CT)", Pricing 1="1=0.26, 10=0.218, 25=0.1584, 50=0.1148, 100=0.0851, 250=0.06536, 500=0.05148, 1000=0.03564, 2500=0.03267 (USD)", RoHS="RoHS Compliant", Size / Dimension="0.024\" L x 0.012\" W (0.60mm x 0.30mm)", Stock 1=31501, Supplier 1=Digi-Key, Supplier Device Package="0201 (0603 Metric)"
R30 R31 R33 R36 R43 R368 R471 R472 R473 R474 R494 R495 R539 R541 R542 R543 R545 R587: library part RC0201FR-0710KL, "RES 10K OHM 1/20W 1% 0201 SMD", Manufacturer=Yageo, Package / Case="0201 (0603 Metric)", Power (Watts)="0.05W, 1/20W", Supplier Device Package=0201, Supplier Part Number 1=311-10.0KMCT-ND, Temperature Coefficient=±200ppm/°C, Tolerance=±1%, .Checked PCB=used, .Checked SCH=used, .Creator=MM, Category=Resistors, ComponentLink1Description=http://www.yageo.com/documents/recent/PYu-RC0201_51_RoHS_L_8.pdf, ComponentLink1URL=http://www.yageo.com/documents/recent/PYu-RC0201_51_RoHS_L_8.pdf, Composition="Thick Film", Features="Moisture Resistant", Height="0.010\" (0.26mm)", Manufacturer Part Number=RC0201FR-0710KL, Number of Terminations=2, Packaging="Cut Tape (CT)", Pricing 1="1=0.1, 10=0.074, 25=0.054, 100=0.0303, 250=0.02312, 500=0.0185, 1000=0.01361, 2500=0.01182, 5000=0.00976 (USD)", Resistance (Ohms)=10k, RoHS="RoHS Compliant", Size / Dimension="0.024\" L x 0.012\" W (0.60mm x 0.30mm)", Stock 1=529049, Supplier 1=Digi-Key